# Altium PCB test.PcbDoc (part 1 of 2) (continued)
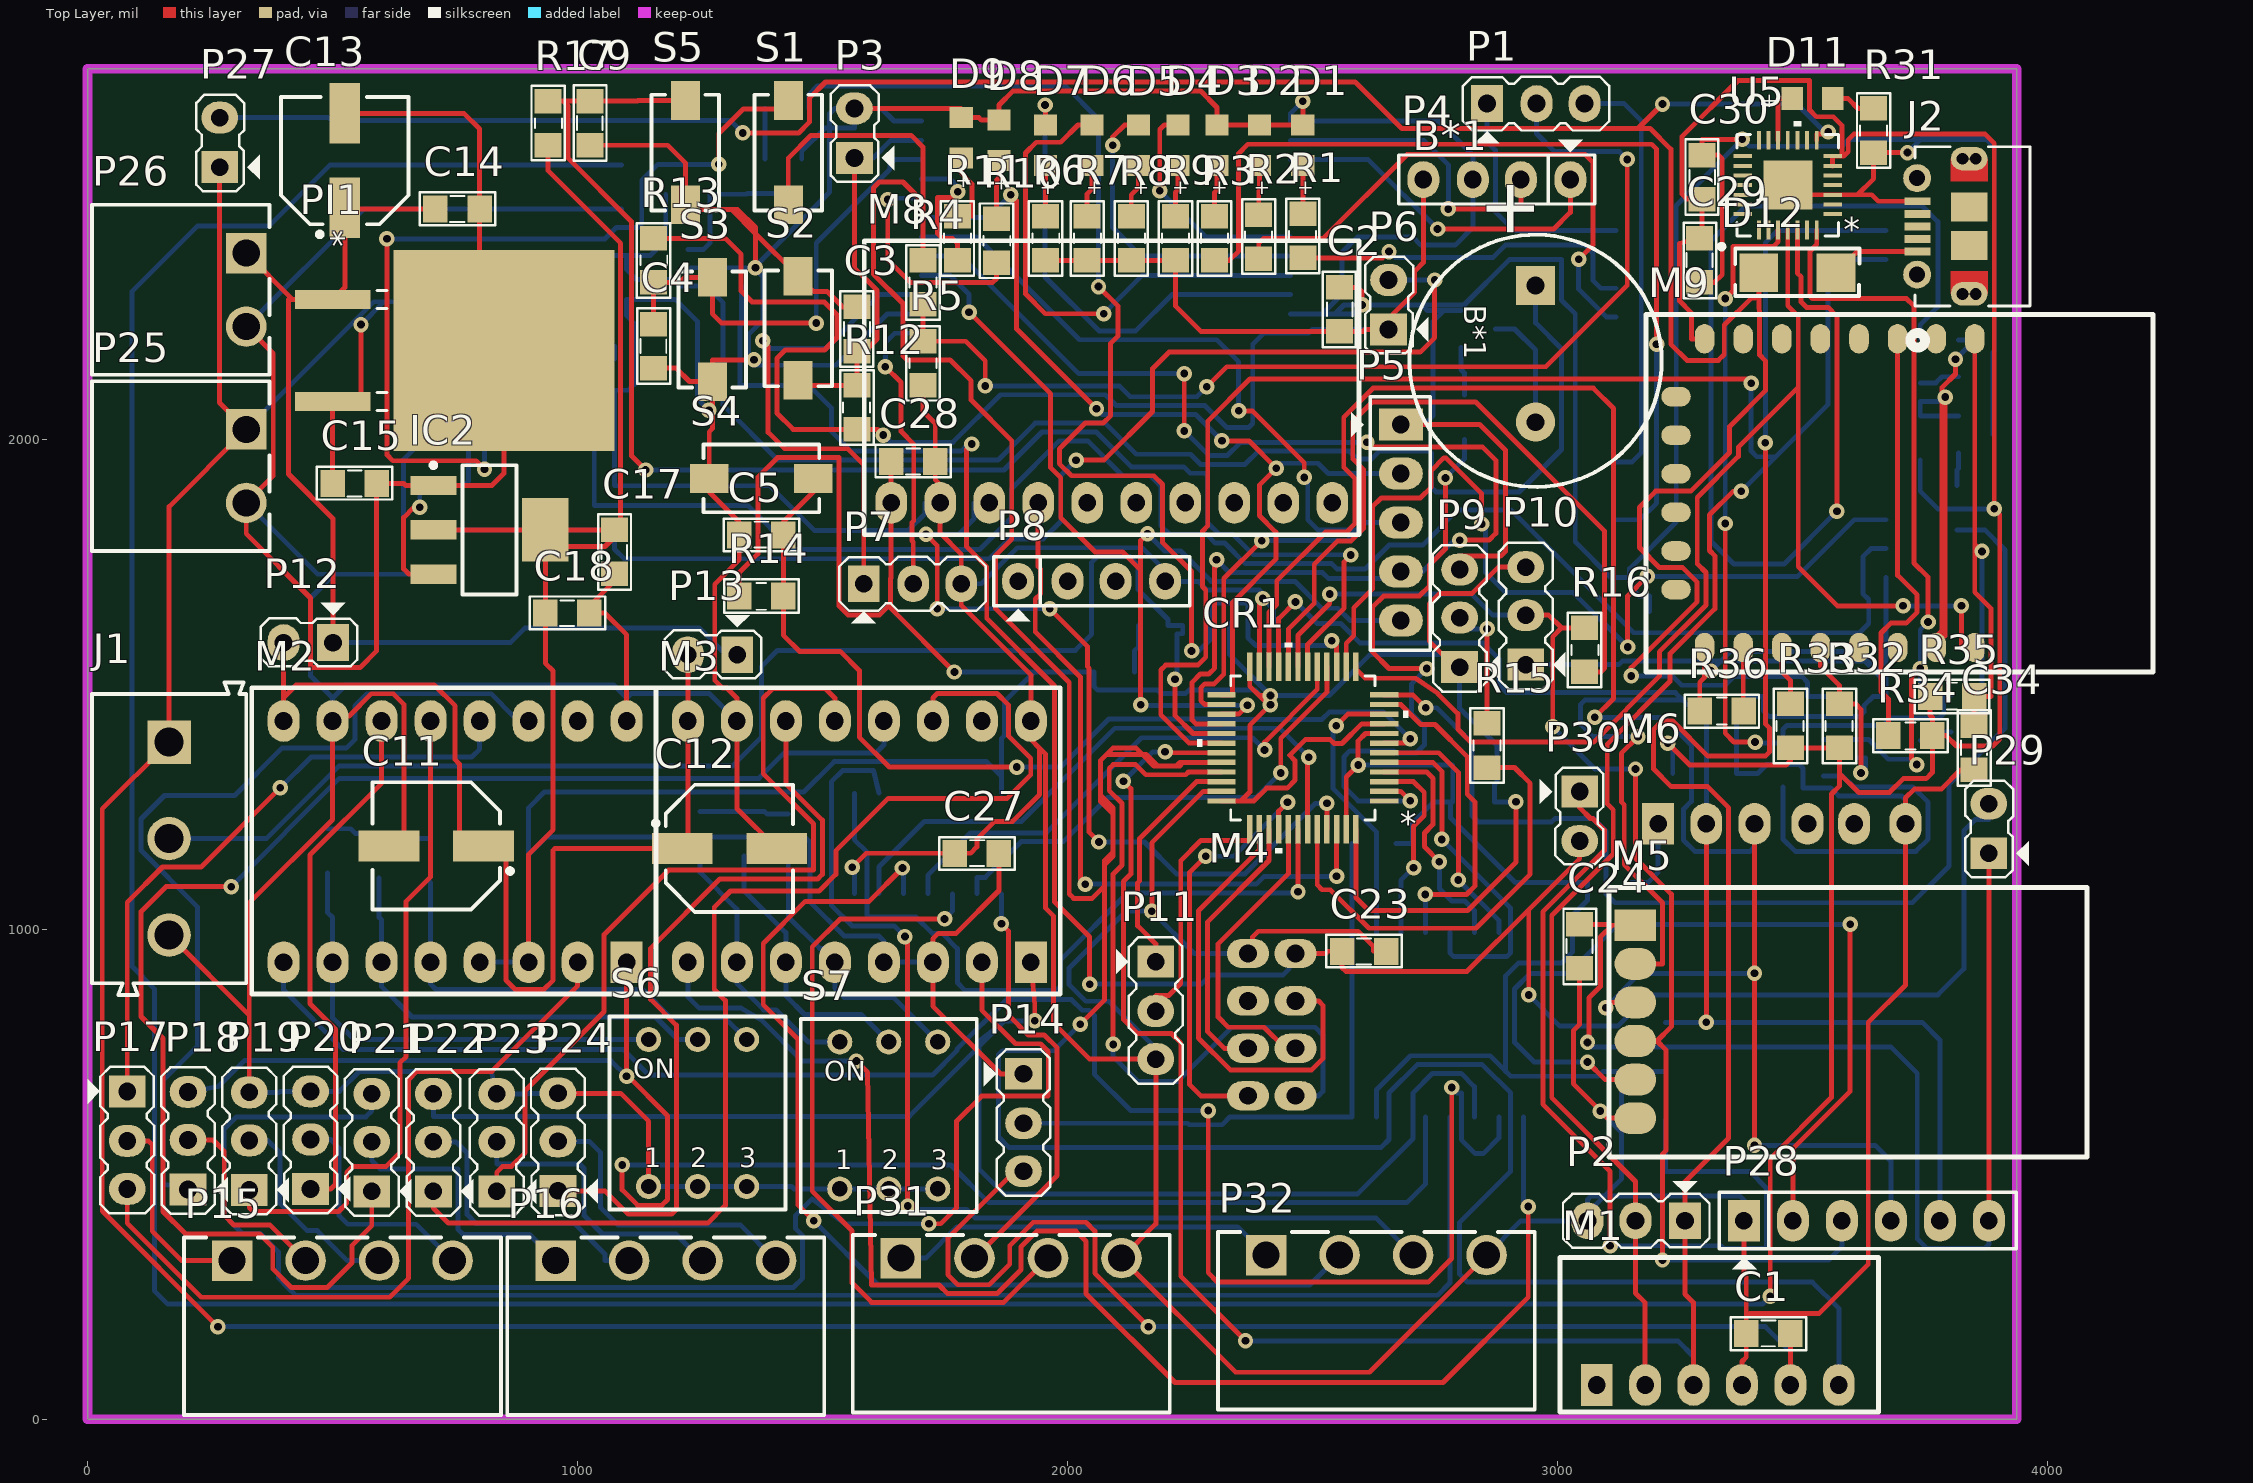
[diagram p0: Top Layer view]
## Components (designator, comment, footprint, x,y, rotation, side; value= is the part's Value field where it differs from the comment) (continued)
S6 "418117170903" 418117170903 1245,625 r0 top
S7 "418117170903" 418117170903 1635,620 r0 top
U1 "DWM1001" DWM1001 2455,2649.33 r180 bottom
U2 "74HC245D,652" 74HC245D,652 2805,805 r270 bottom
U3 "XC6204B332MR" XC6204/05_SOT-00 1280,2350 r0 bottom
U4 "74HC14D,652" 74HC14D,652 1715,1175 r90 bottom
U5 "CP2102-GM" CP2102-GM 3469.68,2518.5 r180 top

## Footprints (in the part's own frame and the unit in brackets; to place one, negate y for a bottom-side part, rotate by r counter-clockwise, add the part's x,y. Pads: shape width x height; smd on the part's side, far side on the other; paste and mask are expansions set on the pad)
74HC14D,652 [mil]
  rect 67x21 smd paste+0 mask+0: 1(-102.5,150) 2(-102.5,100) 3(-102.5,50) 4(-102.5,0) 5(-102.5,-50) 6(-102.5,-100) 7(-102.5,-150) 8(102.5,-150) 9(102.5,-100) 10(102.5,-50) 11(102.5,0) 12(102.5,50) 13(102.5,100) 14(102.5,150)
  silkscreen extent -84,-177 156,177, body extent -124,-172 120,172, height 69
74HC245D,652 [mil]
  rect 71x21 smd paste+0 mask+0: 1(-188,225) 2(-188,175) 3(-188,125) 4(-188,75) 5(-188,25) 6(-188,-25) 7(-188,-75) 8(-188,-125) 9(-188,-175) 10(-188,-225) 11(188,-225) 12(188,-175) 13(188,-125) 14(188,-75) 15(188,-25) 16(188,25) 17(188,75) 18(188,125) 19(188,175) 20(188,225)
  silkscreen extent -244,-261 244,261, body extent -209,-256 209,256, height 104
418117170903 [mm] "2.54 mm compact THT with flat actuator, 3p"
  round 1.3 hole 0.8: 1(-2.54,-3.81) 2(0,-3.81) 3(2.54,-3.81) 4(2.54,3.81) 5(0,3.81) 6(-2.54,3.81)
  silkscreen extent -4.56,-5 4.56,5, body extent -4.46,-4.95 4.46,4.95, height 5.75
434113043826 [mm] "SMD Tact Switch, body 6x3.5mm"
  rect 2x1.5 smd: 1(-2.7,0) 2(2.7,0)
  silkscreen extent -3,-1.75 3,1.75, body extent -3.65,-1.75 3.65,1.75, height 4.3
691111710003 [mm] "5,00mm - modular - green - Horizontal entry with pressure clamp - 10,0mm height - 03p"
  rect 2.25x2.25 hole 1.5: 1(-5,0)
  round 2.25 hole 1.5: 2(0,0) 3(5,0)
  silkscreen extent -8.1,-4 8.1,4, body extent -8.1,-4 8.1,4, height 11.05
691322310002 [mm] "Horizontal PCB Header, pitch 3.81mm, 02p"
  rect 2.1x2.1 hole 1.4: 1(-1.905,3.4)
  round 2.1 hole 1.4: 2(1.905,3.4)
  silkscreen extent -4.4,-4.6 4.41,4.6, body extent -4.4,-4.6 4.41,4.6, height 7.25
691322310004 [mm] "Horizontal PCB Header, pitch 3.81mm, 04p"
  rect 2.1x2.1 hole 1.4: 1(-5.715,3.4)
  round 2.1 hole 1.4: 2(-1.905,3.4) 3(1.905,3.4) 4(5.715,3.4)
  silkscreen extent -8.21,-4.6 8.22,4.6, body extent -8.21,-4.6 8.21,4.6, height 7.25
BUZZER [mil]
  rect 80x80 hole 36: 1(-78.73,0)
  round 80 hole 36: 2(200,0)
  silkscreen extent -182,-257 332,257, body extent -176,-237 296,235, height 335
CAP-SM-0805 [mil]
  rect 50x55 smd: 1(0,0) 2(90,0)
  silkscreen extent -32,-34 122,33, body extent 4,-27 86,27, height 30
CAP-SM-AL-SIZE-D-D6L6 [mm] "WH6.6"
  rect 3.15x1.6 smd: 1(-2.45,0) 2(2.45,0)
  silkscreen extent -3.95,-3.3 3.3,3.3, body extent -3.9,-3.4 3.9,3.4, height 5.7
CAP_SM_TAN [mil]
  rect 49.98x87 smd: 1(-65,0) 2(65,0)
  silkscreen extent -78,-64 78,64, body extent -73,-60 73,58, height 85
CONN_105017-0001 [mil]
  rect 16x53 smd: 1(-51.18,112) 2(-25.59,112) 3(0,112) 4(25.59,112) 5(51.18,112)
  round 57 hole 33: 6(-98.43,112.99) 7(98.43,112.99)
  rect 59x75 smd: 10(-39.37,6.68) 11(39.37,6.68)
  oval 48x75 hole 1 mask+0: S_1(-137.8,6.68) S_2(137.8,6.68)
  round 24 hole 24: S_1_H1(-137.8,20.18) S_1_H2(-137.8,-6.82) S_2_H1(137.8,20.18) S_2_H2(137.8,-6.82)
  Top Layer region: 91.8,-30.82 91.8,44.18 137.8,44.18 137.8,-30.82
  Top Layer region: -91.8,-30.82 -91.8,44.18 -137.8,44.18 -137.8,-30.82
  Multi-Layer lines w24: -137.8,20.18 -137.8,-6.82 ; 137.8,20.18 137.8,-6.82
  silkscreen extent -247,-117 162,127, body extent -161,-95 161,118, height 108
CP2102-GM [mil]
  rect 38x8 smd paste+0 mask+0: 1(-91.5,59.06) 2(-91.5,39.37) 3(-91.5,19.68) 4(-91.5,0) 5(-91.5,-19.69) 6(-91.5,-39.37) 7(-91.5,-59.06) 15(91.5,-59.06) 16(91.5,-39.37) 17(91.5,-19.69) 18(91.5,0) 19(91.5,19.68) 20(91.5,39.37) 21(91.5,59.06)
  rect 8x38 smd paste+0 mask+0: 8(-59.05,-91.5) 9(-39.37,-91.5) 10(-19.68,-91.5) 11(0,-91.5) 12(19.68,-91.5) 13(39.37,-91.5) 14(59.05,-91.5) 22(59.05,91.5) 23(39.37,91.5) 24(19.68,91.5) 25(0,91.5) 26(-19.68,91.5) 27(-39.37,91.5) 28(-59.05,91.5)
  rect 100x100 smd paste-65.5 mask+0: 29(0,0)
  silkscreen extent -104,-130 130,104, body extent -98,-98 99,99, height 37
DRV8825 [mil]
  rect 85x65 hole 36: 1(0,0)
  oval 85x65 hole 36: 2(0,100) 3(0,200) 4(0,300) 5(0,400) 6(0,500) 7(0,600) 8(0,700) 9(492.13,700) 10(492.13,600) 11(492.13,500) 12(492.13,400) 13(492.13,300) 14(492.13,200) 15(492.13,100) 16(492.13,0)
  silkscreen extent -65,-60 560,765, body extent -50,-47 540,753, height 520
DWM1001 [mm]
  rect 2.54x0.65 smd: 1(0,0) 2(0,-1) 3(0,-2) 4(0,-3) 5(0,-4) 6(0,-5) 7(0,-6) 8(0,-7) 9(0,-8) 10(0,-9) 11(0,-10) 12(0,-11) 13(0,-12) 14(0,-13) 15(0,-14) 16(0,-15) 17(0,-16) 18(19.13,-16) 19(19.13,-15) 20(19.13,-14) 21(19.13,-13) 22(19.13,-12) 23(19.13,-11) 24(19.13,-10) 25(19.13,-9) 26(19.13,-8) 27(19.13,-7) 28(19.13,-6) 29(19.13,-5) 30(19.13,-4) 31(19.13,-3) 32(19.13,-2) 33(19.13,-1) 34(19.13,0)
  body extent -0.04,-17.12 19.09,9, height 3.2
ESP8266 [mil]
  oval 60x40 smd: 1(0,551.18) 2(0,472.44) 3(0,393.7) 4(0,314.96) 5(0,236.22) 6(0,157.48) 7(0,78.74) 8(0,0) 15(629.92,0) 16(629.92,78.74) 17(629.92,157.48) 18(629.92,236.22) 19(629.92,314.96) 20(629.92,393.7) 21(629.92,472.44) 22(629.92,551.18)
  oval 40x60 smd: 9(118.11,-58.27) 10(196.85,-58.27) 11(275.59,-58.27) 12(354.33,-58.27) 13(433.07,-58.27) 14(511.81,-58.27)
  silkscreen extent -50,-120 680,915, body extent -5,-63 625,882, height 104
GY9250 [mil]
  oval 85x65 hole 36: 1(0,0) 2(0,100) 3(0,200) 4(0,300) 5(0,400) 6(0,500) 7(0,600) 8(0,700) 9(0,800) 10(0,900)
  silkscreen extent -535,-55 65,955, body extent -530,-50 60,950, height 267
"HC05-06 DIP" [mil]
  rect 85x65 hole 36: 1(0,0)
  oval 85x65 hole 36: 2(0,98.82) 3(0,197.64) 4(0,296.46) 5(0,395.28) 6(0,494.09)
  silkscreen extent -260,-75 55,575, body extent -248,-65 10,565, height 1634
"HC05-06 SMD" [mil]
  oval 60x40 smd: 1(0,708.66) 2(0,649.61) 3(0,590.55) 4(0,531.5) 5(0,472.44) 6(0,413.38) 7(0,354.33) 8(0,295.27) 9(0,236.22) 10(0,177.16) 11(0,118.11) 12(0,59.05) 13(0,0) 22(551.18,0) 23(551.18,59.05) 24(551.18,118.11) 25(551.18,177.16) 26(551.18,236.22) 27(551.18,295.27) 28(551.18,354.33) 29(551.18,413.38) 30(551.18,472.44) 31(551.18,531.5) 32(551.18,590.55) 33(555,649.61) 34(551.18,708.66)
  oval 40x60 smd: 14(68.9,-68.9) 15(127.95,-68.9) 16(187.01,-68.9) 17(246.06,-68.9) 18(305.12,-68.9) 19(364.17,-68.9) 20(423.23,-68.9) 21(482.28,-68.9)
  silkscreen extent -50,-110 600,1045, body extent 0,-70 552,1033, height 93
HC12 [mil] "HC12"
  oval 80x60 smd: 1(0,0) 2(0,100) 3(0,200) 4(5,300) 5(5,400)
  silkscreen extent -1100,-70 60,470, body extent -1090,-62 0,462, height 1020
HOLYBRO [mil]
  rect 85x65 hole 36: 1(0,0)
  oval 85x65 hole 36: 2(0,98.43) 3(0,196.85) 4(0,305) 5(0,400) 6(0,505)
  body extent -135,-87 95,597, height 304
JP2 [mil]
  rect 65x75 hole 36: 1(0,0)
  oval 65x75 hole 36: 2(101,0)
  silkscreen extent -49,-81 148,48, body extent -48,-50 148,48, height 323
JP3 [mil] "Jumper 3"
  rect 65x75 hole 36: 1(-100,0)
  oval 65x75 hole 36: 2(1,0) 3(99,0)
  silkscreen extent -150,-81 149,55, body extent -150,-60 150,55, height 355
JP4 [mil] "Jumper 4"
  oval 65x75 hole 36: 1(-100,0) 2(1,0) 3(99,0) 4(200,0)
  silkscreen extent -150,-81 250,50, body extent -148,-48 248,50, height 323
JP5 [mil] "JP5"
  rect 65x90 hole 36: 1(0,0)
  oval 65x90 hole 36: 2(100,0) 3(200,0) 4(300,0) 5(400,0)
  silkscreen extent -57,-101 461,60, body extent -48,-53 448,45, height 323
JP6 [mil] "JP6"
  rect 65x85 hole 36: 1(0,0)
  oval 65x85 hole 36: 2(100,0) 3(200,0) 4(300,0) 5(400,0) 6(500,0)
  silkscreen extent -50,-99 556,58, body extent -48,-50 548,48, height 323
L7805_SMD [mil]
  rect 39x154 smd paste+0 mask+0: 1(-103.94,-349.5) 3(103.94,-349.5)
  rect 411x451 smd paste+0 mask+0: 2(0,0)
  silkscreen extent -122,-258 122,-239, body extent -205,-320 204,210, height 185
LC12S [mil]
  rect 85x65 smd: 1(446.22,-198.11)
  oval 85x65 smd: 2(446.22,-119.37) 3(446.22,-40.63) 4(446.22,38.11) 5(446.22,116.85) 6(446.22,195.59)
  silkscreen extent -475,-275 500,275, body extent -473,-268 444,271, height 79
LQFP-48 [mil]
  rect 58x11 smd: 1(-166,108.27) 2(-166,88.58) 3(-166,68.9) 4(-166,49.21) 5(-166,29.53) 6(-166,9.84) 7(-166,-9.84) 8(-166,-29.53) 9(-166,-49.21) 10(-166,-68.9) 11(-166,-88.58) 12(-166,-108.27) 25(166,-108.27) 26(166,-88.58) 27(166,-68.9) 28(166,-49.21) 29(166,-29.53) 30(166,-9.84) 31(166,9.84) 32(166,29.53) 33(166,49.21) 34(166,68.9) 35(166,88.58) 36(166,108.27)
  rect 11x58 smd: 13(-108.27,-166) 14(-88.58,-166) 15(-68.9,-166) 16(-49.21,-166) 17(-29.53,-166) 18(-9.84,-166) 19(9.84,-166) 20(29.53,-166) 21(49.21,-166) 22(68.9,-166) 23(88.58,-166) 24(108.27,-166) 37(108.27,166) 38(88.58,166) 39(68.9,166) 40(49.21,166) 41(29.53,166) 42(9.84,166) 43(-9.84,166) 44(-29.53,166) 45(-49.21,166) 46(-68.9,166) 47(-88.58,166) 48(-108.27,166)
  silkscreen extent -215,-215 215,215, body extent -181,-181 181,181, height 63
NRF24L01 [mil]
  oval 86x60 hole 36: 1(0,0) 2(-96.85,0) 3(0,96.85) 4(-96.85,96.85) 5(0,193.7) 6(-96.85,193.7) 7(0,290.55) 8(-96.85,290.55)
  body extent -2823,-155 90,445, height 3758
RES-SM-0805 [mil]
  rect 50x55 smd: 1(0,0) 2(90,0)
  silkscreen extent -31,-34 121,34, body extent -5,-24 95,25, height 20
SOT23_NEX [mil]
  rect 22x52 smd paste+0 mask+4: 1(-37.5,-37.21) 2(37.5,-37.21) 3(0,33.36)
  silkscreen extent -85,-50 64,33, body extent -59,-54 59,44, height 43
SOT223 [mm] "SOT223, 4-Leads, Body 6.5x3.5mm, Pitch 2.3mm, Lead Span 7mm, IPC Medium Density"
  rect 2.4x1 smd: 1(-2.9,2.3) 2(-2.9,0) 3(-2.9,-2.3)
  rect 2.4x3.3 smd: 4(2.9,0)
  silkscreen extent -3.02,-3.35 1.4,3.47, body extent -3.39,-3.27 3.5,3.23, height 1.72
SS14 [mm] "DO-214-AC/SMA Molded Diode, Body 5.3x2.6mm, IPC Medium Density"
  rect 1.999x1.999 smd: 1(-2,0) 2(2,0)
  silkscreen extent -4.06,-1.22 3.23,1.47, body extent -2.75,-1.4 2.75,1.4, height 2.3
WL-SMCW_0805 [mm] "SMD Mono-color Chip LED, body 2.0x1.25mm"
  rect 1.1x1.2 smd: 1(-1.05,0) 2(1.05,0)
  body extent -1,-0.63 1,0.62, height 0.7
XC6204/05_SOT-00 [mil]
  rect 60x21 smd: 1(-54.75,37.4) 2(-54.75,0) 3(-54.75,-37.4) 4(54.75,-37.4) 5(54.75,37.4)
  silkscreen extent -38,-62 38,62, body extent -56,-57 54,57, height 51

## Part data
C1 C2 C3 C4 C5 C6 C7 C8 C9 C10 C20 C23 C24 C25 C26 C27 C28 C30 C32 C34: "CAP CER 0.1UF 50V Y5V 0805", Manufacturer="Samsung Electro-Mechanics", Manufacturer Part Number=CL21F104ZBCNNNC, Supplier 1 Part Number=1276-1007-1-ND, Local Supplier=thegioiic, Local Supplier Link=https://thegioiic.com/products/tu-100nf-0-1uf-50v-0805, Supplier 1=Digikey, Supplier 1 Link=https://www.digikey.com/product-detail/en/samsung-electro-mechanics/CL21F104ZBCNNNC/1276-1007-1-ND/3889093
C11 C12 C13: "CAP ALUM 100UF 20% 16V SMD", Manufacturer=Nichicon, Manufacturer Part Number=UWX1C101MCL1GB, Supplier 1 Part Number=493-2105-1-ND, Local Supplier=thegioiic, Local Supplier Link=https://thegioiic.com/products/tu-nhom-smd-100uf-16v-d6-3l5-4, Supplier 1=Digikey, Supplier 1 Link=https://www.digikey.com/product-detail/en/nichicon/UWX1C101MCL1GB/493-2105-1-ND/590080
C14 C15 C16 C17 C18 C19 C21 C22 C29 C31: "CAP CER 10UF 50V X5R 0805", Manufacturer=Yageo, Manufacturer Part Number=CC0805KKX5R9BB106, Supplier 1 Part Number=311-3499-2-ND, Local Supplier=thegioiic, Local Supplier Link=https://thegioiic.com/products/tu-10uf-50v-0805, Supplier 1=Digikey, Supplier 1 Link=https://www.digikey.com/product-detail/en/yageo/CC0805KKX5R9BB106/311-3499-2-ND/7164383
C33: library part Cap-Tan-100uF-16V, Manufacturer=Nichicon, Manufacturer Part Number=UWX1C101MCL1GB, Supplier 1 Part Number=493-2105-1-ND, Local Supplier=icdayroi, Local Supplier Link=https://icdayroi.com/tu-tantalum-100uf-16v-smd6032, Supplier 1=Digikey, Supplier 1 Link=https://www.digikey.com/product-detail/en/nichicon/UWX1C101MCL1GB/493-2105-1-ND/590080
CR1: library part STM32F103C8T6, "No Description Available", Built_By=EMA_UL_Team, Copyright="Copyright (C) 2018 Accelerated Designs. All rights reserved", Manufacturer_Part_Number=STM32F103C8T6, RefDes=RefDes, Type=DEV, Vendor=STMicroelectronics
D1 D7: library part 150080VS75000, "WL-SMCW SMT Mono-color Chip LED Waterclear, size 0805, Bright Green, 2V, 140deg", Emitting Color="Bright Green", Forward Voltage typ.=2V, Operating Temperature="-40 to +85degC", Chip Technology=AlInGaP, ComponentLink1Description=Manufacturer, ComponentLink1URL=http://www.we-online.de, ComponentLink2Description=Datasheet, ComponentLink2URL=https://www.we-online.com/catalog/datasheet/150080VS75000.pdf, Dominant Wavelength typ.=570nm, Luminous Intensity typ.=40mcd, Mounting Technology=SMT, Packaging="Tape and Reel", Part Number=150080VS75000, Peak Wavelength typ.=572nm, Published Date="December 2019", Publisher="Wurth Elektronik", Size=0805, Viewing Angle=140deg
D2 D6: library part 150080YS75000, "WL-SMCW SMT Mono-color Chip LED Waterclear, size 0805, Yellow, 2V, 140deg", Emitting Color=Yellow, Forward Voltage typ.=2V, Operating Temperature="-40 to +85degC", Chip Technology=AlInGaP, ComponentLink1Description=Manufacturer, ComponentLink1URL=http://www.we-online.de, ComponentLink2Description=Datasheet, ComponentLink2URL=https://www.we-online.com/catalog/datasheet/150080YS75000.pdf, Dominant Wavelength typ.=590nm, Luminous Intensity typ.=120mcd, Mounting Technology=SMT, Packaging="Tape and Reel", Part Number=150080YS75000, Peak Wavelength typ.=595nm, Published Date="December 2019", Publisher="Wurth Elektronik", Size=0805, Viewing Angle=140deg
D3 D4 D5 D8 D9 D10 D11: library part 150080RS75000, "WL-SMCW SMT Mono-color Chip LED Waterclear, size 0805, Red, 2V, 140deg", Emitting Color=Red, Forward Voltage typ.=2V, Operating Temperature="-40 to +85degC", Chip Technology=AlInGaP, ComponentLink1Description=Manufacturer, ComponentLink1URL=http://www.we-online.de, ComponentLink2Description=Datasheet, ComponentLink2URL=https://www.we-online.com/catalog/datasheet/150080RS75000.pdf, Dominant Wavelength typ.=625nm, Luminous Intensity typ.=150mcd, Mounting Technology=SMT, Packaging="Tape and Reel", Part Number=150080RS75000, Peak Wavelength typ.=630nm, Published Date="December 2019", Publisher="Wurth Elektronik", Size=0805, Viewing Angle=140deg
D12: library part Diode-SS14, "DIODE SCHOTTKY 40V 1A SMA", Manufacturer="ON Semiconductor", Supplier 1 Part Number=SS14CT-ND, Local Supplier=thegioiic, Local Supplier Link=https://thegioiic.com/products/ss14-sma, Manufacturer Part Number=SS14, Supplier 1=Digikey, Supplier 1 Link=https://www.digikey.com/product-detail/en/on-semiconductor/SS14/SS14CT-ND/965729
IC1 IC2 IC3 IC4: "Available in 1.8V, 2.5V, 2.85V, 3.3V, 5V, and  Adjustable Versions"
J1: "WR-TBL Serie 111 Horizontal Entry Modular, Pressure Clamp, pitch 5mm, 3p", Operating Temperature="-40 to +105degC", Rated Current [UL]=15A, Working Voltage [UL]=250VAC, Application="Pressure Clamp", Compliance="Lead free / RoHS", ComponentLink1Description=Manufacturer, ComponentLink1URL=http://www.we-online.de, ComponentLink2Description=Datasheet, ComponentLink2URL=https://katalog.we-online.de/em/datasheet/691111710003.pdf, Modularity=Yes, Mounting Technology=THT, Packaging=Box, Part Number=691111710003, PCB/Cable/Panel=PCB, Pin Number=3, Pitch=5mm, Published Date="October 2019", Publisher="Wurth Elektronik", Type=Horizontal
J2 U2 U4 U5: "No Description Available", RefDes=RefDes, Type=DEV
  J2: Built_By=EMA_Cory, Copyright="Copyright (C) 2018 Accelerated Designs. All rights reserved", Datasheet=https://www.molex.com/pdm_docs/sd/1050170001_sd.pdf, Manufacturer_Part_Number=105017-0001, SourceLibrary=Molex_2020-05-26, Vendor="Molex Connector Corporation"
  U2: Copyright="Copyright (C) 2016 Accelerated Designs. All rights reserved", Manufacturer_Part_Number=74HC245D,652, SourceLibrary=Nexperia_2018-05-2018, Vendor=Nexperia
  U4: Copyright="Copyright (C) 2016 Accelerated Designs. All rights reserved", Manufacturer_Part_Number=74HC14D,652, SourceLibrary=Nexperia_2018-05-2018, Vendor=Nexperia
  U5: Built_By=EMA_UL_Team, Copyright="Copyright (C) 2018 Accelerated Designs. All rights reserved", Manufacturer_Part_Number=CP2102-GM, SourceLibrary=Silicon_Labs_2015-03-23, Vendor="Silicon Labs"
M5: library part LC12S
P1 P2 P7 P9 P10 P11 P14 P17 P18 P19 P20 P21 P22 P23 P24: "Header, 3-Pin", LatestRevisionDate=17-Jul-2002, LatestRevisionNote="Re-released for DXP Platform.", Publisher="Altium Limited"
P3 P6 P12 P13 P27 P29 P30: "Header, 2-Pin", LatestRevisionDate=17-Jul-2002, LatestRevisionNote="Re-released for DXP Platform.", Publisher="Altium Limited"
P4 P8: "Header, 4-Pin", LatestRevisionDate=17-Jul-2002, LatestRevisionNote="Re-released for DXP Platform.", Publisher="Altium Limited"
P5: "Header, 5-Pin", LatestRevisionDate=17-Jul-2002, LatestRevisionNote="Re-released for DXP Platform.", Publisher="Altium Limited"
P15 P16 P31 P32: "WR-TBL Serie 322 Horizontal PCB Header, Pluggable, pitch 3.81mm, 4p", Operating Temperature="-40 to +105degC", Rated Current [UL]=10A, Working Voltage [UL]=300VAC, Application=Pluggable, Compliance=RoHS, ComponentLink1Description=Manufacturer, ComponentLink1URL=http://www.we-online.de, ComponentLink2Description=Datasheet, ComponentLink2URL=https://katalog.we-online.de/em/datasheet/691322310004.pdf, Modularity=No, Mounting Technology=THT, Packaging=Box, Part Number=691322310004, PCB/Cable/Panel=PCB, Pin Number=4, Pitch=3.81mm, Published Date="October 2019", Publisher="Wurth Elektronik", Type=Horizontal
P25 P26: "WR-TBL Serie 322 Horizontal PCB Header, Pluggable, pitch 3.81mm, 2p", Operating Temperature="-40 to +105degC", Rated Current [UL]=10A, Working Voltage [UL]=300VAC, Application=Pluggable, Compliance=RoHS, ComponentLink1Description=Manufacturer, ComponentLink1URL=http://www.we-online.de, ComponentLink2Description=Datasheet, ComponentLink2URL=https://katalog.we-online.de/em/datasheet/691322310002.pdf, Modularity=No, Mounting Technology=THT, Packaging=Box, Part Number=691322310002, PCB/Cable/Panel=PCB, Pin Number=2, Pitch=3.81mm, Published Date="October 2019", Publisher="Wurth Elektronik", Type=Horizontal
P28: "Header, 6-Pin", LatestRevisionDate=17-Jul-2002, LatestRevisionNote="Re-released for DXP Platform.", Publisher="Altium Limited"
Q3 Q4: "P-Channel 20V 3.7A (Ta) 1.3W (Ta) Surface Mount Micro3™/SOT-23"
R1 R2 R3: "RES 470 OHM JUMPER 0805", Manufacturer=YAG6006CT-ND, Manufacturer Part Number=PE0805FRF7W0R047L, Local Supplier=thegioiic, Local Supplier Link=https://www.thegioiic.com/products/dien-tro-470-kohm-0805-5, Supplier 1=Digikey, Supplier 1 Link=https://www.digikey.com/product-detail/en/yageo/PE0805FRF7W0R047L/YAG6006CT-ND/9696460, Supplier 1 Part Number=YAG6006CT-ND
R4: "RES SMD 2.2K OHM 1% 1/8W 0805", Manufacturer="TE Connectivity Passive Product", Manufacturer Part Number=CRG0805F2K2, Supplier 1 Part Number=A106060CT-ND, Local Supplier=thegioiic, Local Supplier Link=https://thegioiic.com/products/dien-tro-2-2k-ohm-0805-5, Supplier 1=Digikey, Supplier 1 Link=https://www.digikey.com/product-detail/en/te-connectivity-passive-product/CRG0805F2K2/A106060CT-ND/3477706
R5 R12 R13 R14 R17: "RES 10K OHM 1% 1/4W 0805", Manufacturer="Stackpole Electronics Inc", Manufacturer Part Number=RNCP0805FTD10K0, Supplier 1 Part Number=RNCP0805FTD10K0CT-ND, Local Supplier=thegioiic, Local Supplier Link=https://thegioiic.com/products/dien-tro-10k-ohm-0805-5, Supplier 1=Digikey, Supplier 1 Link=https://www.digikey.com/product-detail/en/stackpole-electronics-inc/RNCP0805FTD10K0/RNCP0805FTD10K0CT-ND/2240601
R6 R7 R8 R9: "RES SMD 1.2K OHM 1% 1/8W 0805", Manufacturer="TE Connectivity Passive Product", Manufacturer Part Number=CRG0805F1K2, Supplier 1 Part Number=A126346CT-ND, Local Supplier=thegioiic, Local Supplier Link=https://thegioiic.com/products/dien-tro-1-2k-ohm-0805-5, Supplier 1=Digikey, Supplier 1 Link=https://www.digikey.com/product-detail/en/te-connectivity-passive-product/CRG0805F1K2/A126346CT-ND/7603401
R10 R11 R19 R20 R21 R22 R23 R24 R25 R28 R29 R30 R31: "RES 1K OHM 1% 1/4W 0805", Manufacturer="Stackpole Electronics Inc", Manufacturer Part Number=RNCP0805FTD1K00, Supplier 1 Part Number=RNCP0805FTD1K00CT-ND, Local Supplier=thegioiic, Local Supplier Link=https://thegioiic.com/products/dien-tro-1k-ohm-0805-5, Supplier 1=Digikey, Supplier 1 Link=https://www.digikey.com/product-detail/en/stackpole-electronics-inc/RNCP0805FTD1K00/RNCP0805FTD1K00CT-ND/2240568
R15 R16 R27: "RES 0 OHM JUMPER 0805", Manufacturer="Vishay Dale", Manufacturer Part Number=WSL080500000ZEA9, Supplier 1 Part Number=541-3928-1-ND, Local Supplier=thegioiic, Local Supplier Link=https://thegioiic.com/products/dien-tro-0-ohm-0805-5, Supplier 1=Digikey, Supplier 1 Link=https://www.digikey.com/product-detail/en/vishay-dale/WSL080500000ZEA9/541-3928-1-ND/7423223
R18: "RES 15K OHM 1% 1/4W 0805", Manufacturer="TE Connectivity Passive Product", Manufacturer Part Number=CRGCQ0805F15K, Supplier 1 Part Number=A129763CT-ND, Local Supplier=thegioiic, Local Supplier Link=https://thegioiic.com/products/dien-tro-15k-ohm-0805-1, Supplier 1=Digikey, Supplier 1 Link=https://www.digikey.com/product-detail/en/te-connectivity-passive-product/CRGCQ0805F15K/A129763CT-ND/8577595
R26: "RES SMD 4.7K OHM 5% 1/8W 0805", Manufacturer=Yageo, Manufacturer Part Number=RC0805JR-074K7L, Supplier 1 Part Number=311-4.7KARCT-ND, Local Supplier=thegioiic, Local Supplier Link=https://thegioiic.com/products/dien-tro-4-7k-ohm-0805-5, Supplier 1=Digikey, Supplier 1 Link=https://www.digikey.com/product-detail/en/yageo/RC0805JR-074K7L/311-4.7KARCT-ND/731274
R32 R33 R34 R35 R36 R37 R38: "RES 12 KOHM JUMPER 0805", Manufacturer="Vishay Thin Film", Manufacturer Part Number=PAT0805E3121BST1, Supplier 1 Part Number=PAT0805E3121BST1-ND, Local Supplier=icdayroi, Local Supplier Link=https://icdayroi.com/dien-tro-12k-0805-1-goi-50-con, Supplier 1=Digikey, Supplier 1 Link=https://www.digikey.com/product-detail/en/vishay-thin-film/PAT0805E3121BST1/PAT0805E3121BST1-ND/2281536
S1 S2 S3 S4 S5: "WS-TASV J-Bend SMT Tact Switch 6x3.5mm, height 4.3mm, 260gf", Operating Temperature="-40 to +85degC", Rated Current=50mA, Rated Voltage=12VDC, ComponentLink1Description=Manufacturer, ComponentLink1URL=http://www.we-online.de, ComponentLink2Description=Datasheet, ComponentLink2URL=https://katalog.we-online.com/em/datasheet/434113043826.pdf, Contact Material="Stainless Steel", Contact Plating=Silver, Height=4.3mm, Mounting Technology=SMT, Operation Force=260gf, Packaging="Tape and Reel", Part Number=434113043826, Published Date="September 2019", Publisher="Wurth Elektronik", Terminal Material="Copper Alloy", Terminal Plating=Silver, Washable=No
S6 S7: "WS-DITV Compact THT Dip Switch, Flat Actuator, pitch 2.54mm, 3p", Operating Temperature="-40 to +85degC", Rated Current Non-Switching=100mA, Rated Current Switching=25mA, Rated Voltage Non-Switching=50VDC, Rated Voltage Switching=24VDC, Actuator Type="Flat Type", Circuit=SPST-NO, ComponentLink1Description=Manufacturer, ComponentLink1URL=http://www.we-online.de, ComponentLink2Description=Datasheet, ComponentLink2URL=https://katalog.we-online.com/em/datasheet/418117170903.pdf, Contact Material="Copper Alloy", Contact Plating=Gold, Mounting Technology=THT, Operation Force=800g, Packaging=Tube, Part Number=418117170903, Pitch=2.54mm, Pole Number=3, Published Date="September 2019", Publisher="Wurth Elektronik"
M8: Local Supplier=HShop, Local Supplier Link=https://hshop.vn/products/cam-bien-gy-9250-9dof-imu-mpu9250
U3: Built_By=EMA_UL_Team, Copyright="Copyright (C) 2018 Accelerated Designs. All rights reserved", Manufacturer_Part_Number=XC6204B332MR, RefDes=RefDes, SourceLibrary=Torex_2016-07-05_1, Type=DEV, Vendor="Torex Semiconductor"

## Via types
v1: diameter 31.5, hole 15.75, Top Layer to Bottom Layer, 157 vias

## Nets (pads, with @x,y where several pads share a name; then routed paths per layer and width w, separated by ;. In a path a pad name is that pad's centre, name@x,y a point inside that pad or via, vN(x,y) a via of type N, cw(c..) or ccw(c..) an arc to the next point about the centre after c; other vN are vias at no path point)
3V3_BLU: *1.12 C22.2 IC4.2 IC4.4 S1.1 | length 5942.1
  Top Layer w10: v1(611,2409) 611,1968 623,1956 793,1956 v1(810,1939) ; v1(1288,2561) 1288,2624 1338,2674 1430,2674 S1.1@1430,2691.3
  Bottom Layer w10: v1(611,2409) 1056,2409 1079,2432 1123,2432 1131,2440 1131,2528 1164,2561 v1(1288,2561) ; IC4.2@715.83,2190 856,2190 ; v1(810,1939) 810,2144 856,2190 ; *1.12@3670,1776.61 3639.61,1776.61 3623,1760 3623,1685 3635,1673 3635,1624 3616,1605 3155,1605 2904.25,1855.75 2796.26,1855.75 2724.51,1784 2656,1784 2607,1735 2550,1735 2538.85,1746.15 2362.89,1746.15 2321.14,1787.9 2301.68,1787.9 2283.84,1805.74 2208,1805.74 2190,1823.74 2190,1904 2168.5,1925.5 2112,1925.5 2040.75,1996.75 1983.25,1996.75 1885.5,1899 1885.5,1840 1820.5,1775 1437,1775 1347,1865 1034,1865 1034,2136 1043,2145 1056,2145 1075,2164 C22.2@1075,2190 1023,2190 IC4.4@944.17,2190 856,2190
3V3_DWM: C19.2 IC3.2 IC3.4 P6.2 | length 2595.6
  Top Layer w10: v1(2017.25,1957.25) 2074.02,1957.25 2173.24,2056.48 2173.24,2144 2206.99,2177.75 2719.75,2177.75 2749,2207 v1(2749,2325)
  Bottom Layer w10: IC3.2@705.83,1815 IC3.4@934.17,1815 C19.2@1075,1815 1075,1776 1095,1756 1840.04,1756 1880.54,1796.5 1950.5,1796.5 1986,1832 1986,1926 v1(2017.25,1957.25) ; P6.2@2655,2325 v1(2749,2325)
3V3_DWM_M: C2.2 P4.4 P6.1 R6.2 R7.2 R8.2 R9.2 R12.1 R13.1 U1.12 | length 3451.3
  Top Layer w10: R13.1@1155,2410 1301,2410 1333.78,2377.22 1333.78,2302.52 1356.3,2280 1503.5,2280 1529.5,2254 1529.5,2207.5 1504,2182 1424,2182 1407,2165 1407,2053 1440,2020 R12.1@1570,2020 1612.46,2020 v1(1624,2008.46) ; R6.2@1955,2365 R7.2@2040,2365 R8.2@2130,2365 R9.2@2220,2365 2220,2272 2272,2220 C2.2@2555,2220 2603,2220 2607,2224 P6.1@2655,2224 2655,2247 2708.25,2300.25 2708.25,2343 2726,2360.75 P4.4@2726,2530
  Bottom Layer w10: v1(1624,2008.46) 1638.85,1993.61 1766,1993.61 1863.13,2090.75 2077,2090.75 2099,2068.75 2280.25,2068.75 2325,2024 2369.75,2024 2377.75,2032 2377.75,2194.01 2400,2216.26 U1.12@2455,2216.26 2492,2216.26 2499.74,2224 P6.1@2655,2224
3V3_ENC: P31.1 P32.1 | length 795.4
  Bottom Layer w10: P31.1@1660,328.86 1710.22,328.86 1774.08,392.72 2347.28,392.72 P32.1@2405,335
3V3_RF: C21.2 C23.2 M4.2 P29.2 P30.2 U3.5 | length 4702.4
  Top Layer w10: v1(1804.23,1990.23) 1794,1980 1794,1780.55 1835,1739.55 1835,1634.55 1973.25,1496.3 1973.25,1056 2045,984.25 v1(2045,888) ; M4.2@2465,950.55 2526.85,950.55 2531.3,955 C23.2@2560,955 2560,922 2568,914 2815,914 2941,1040 ; v1(2941,866) 2941,1040 ; P30.2@3045,1180 3045,1144 2941,1040
  Bottom Layer w10: U3.5@1334.75,2312.6 1334.75,2235.25 1331.25,2231.75 1331.25,2110 C21.2@1335,2110 1472,2110 1518,2064 1518,2016 1558.39,1975.61 1782.85,1975.61 1797.47,1990.23 v1(1804.23,1990.23) ; v1(2045,888) 2273,888 2292,907 2440,907 2452,919 2452,950.55 M4.2@2465,950.55 ; v1(2941,866) 3004.71,802.29 3122.78,802.29 3186.5,866 3776,866 3829,919 3829,1201 3852,1224 3880,1224 P29.2@3880,1256
3V3_WIFI: C16.2 C29.2 C30.2 C33.1 IC1.2 IC1.4 M9.8 R29.2 R32.1 R33.1 R34.1 R35.1 U5.6 U5.7 | length 11526.9
  Top Layer w10: v1(3224.75,1380) 3269.5,1335.25 3466.25,1335.25 3475,1344 R33.1@3475,1370 R32.1@3575,1370 3575,1318.5 ; M9.8@3300.04,2204.92 3273,2204.92 3273,2258 3249,2282 3249,2400 C29.2@3290,2410 3295,2410 C30.2@3295,2490 3264,2490 3254,2500 3254,2618 3368,2732 3514,2732 3514,2672 3528,2658 3562.75,2658 3580.75,2640 3580.75,2577.56 ; v1(3434,251) 3434,532 3559,657 3559,1276 3575,1292 3575,1318.5 ; U5.6@3561.19,2557.87 U5.7@3561.19,2577.56 3580.75,2577.56 ; R35.1@3760,1475 3760,1437 3765,1432 R34.1@3765,1395 ; 3575,1318.5 3614.5,1279 3677,1279 3705.25,1307.25 3752.25,1307.25 3765,1320 R34.1@3765,1395 ; 3580.75,2577.56 3584,2577.56 3593,2586.56 3593,2611 3605,2623 3872,2623 3891,2604 v1(3891,1858) 3902.22,1846.78 3902.22,1388.22 3888,1374 3814,1374 3793,1395 R34.1@3765,1395
  Bottom Layer w10: C16.2@1090,2560 IC1.4@948.35,2560 IC1.2@720,2560 495,2560 370,2435 224,2435 91.05,2302.05 91.05,923.95 136.5,878.5 136.5,262.5 164,235 3418,235 v1(3434,251) ; v1(3224.75,1380) 3235,1369.75 C33.1@3235,1317.5 ; R29.2@3740,1957.5 3740,1894 3776,1858 v1(3891,1858)
5V: B*1.1 C1.2 C15.2 C20.2 IC2.3 IC3.3 IC4.3 J1.1 M1.5 P14.3 P25.1 P27.1 PI1.3 R26.2 U3.1 | length 12109
  Top Layer w10: v1(266,189) 30,425 30,1245.51 J1.1@166.34,1381.85 166.34,1862.48 P25.1@323.86,2020 269,2074.86 269,2555.34 P27.1@270,2555.34 ; C15.2@500,1910 PI1.3@500,2077.13 558,2077.13 v1(558,2234) ; v1(678,1861) 666,1861 645,1840 645,1735.45 656,1724.45 IC2.3@705.83,1724.45 ; P14.3@1910,506 1892,506 1755.66,369.66 1755.66,294.86 1776,274.52 1840,274.52 1882,316.52 1882,354.46 1929.54,402 2037.66,402 2055.66,384 2055.66,298.34 v1(2165,189) ; M1.5@3475,70 C1.2@3475,175
  Bottom Layer w10: v1(266,189) v1(2165,189) 3424,189 3475,138 M1.5@3475,70 ; P25.1@323.86,2020 584.41,2280.55 604.55,2280.55 ; v1(558,2234) 604.55,2280.55 ; v1(678,1861) 678,1905.55 IC3.3@705.83,1905.55 768,1905.55 777,1914.55 777,2128 768,2137 672,2137 655,2154 655,2272 663.55,2280.55 ; R26.2@1180,2500 1180,2406.5 1148.5,2375 C20.2@1100,2375 ; B*1.1@2955,2313.73 2955,2237.56 3008,2184.56 3008,1979 2921.25,1892.25 2752,1892.25 2742.25,1902 2742.25,1971.75 2738.39,1975.61 2636.11,1975.61 2620.5,1960 2590.51,1960 2574.89,1975.61 2388.86,1975.61 2361.75,1948.5 2271.5,1948.5 2250.75,1969.25 2140.24,1969.25 2076.75,2032.75 1933.63,2032.75 1858.5,1957.61 1408.39,1957.61 1297,2069 1297,2278.6 1263,2312.6 U3.1@1225.25,2312.6 1206,2312.6 1206,2326 1120,2326 1100,2346 C20.2@1100,2375 ; 604.55,2280.55 663.55,2280.55 ; 663.55,2280.55 IC4.3@715.83,2280.55 810.27,2375 C20.2@1100,2375
5V_USB: D12.2 J2.1 | length 184.5
  Top Layer w10: D12.2@3568.11,2340 3611.3,2383.19 J2.1@3734.69,2383.19
5V_WIFI: C31.2 C32.2 D12.1 IC1.3 P27.2 U5.8 | length 5843.2
  Top Layer w10: v1(1337,2625) 1451,2625 1473,2647 1473,2696 1506,2729 2587,2729 2682,2634 3164,2634 ; v1(3150,1517) 3150,1533.91 3284.77,1668.68 3284.77,1708.23 3255,1738 3208,1738 3167,1779 3167,1861 3200,1894 3272,1894 3351,1973 3351,2026 3424,2099 3424,2160 3412,2172 3412,2233 3410.63,2296 ; v1(3214,2684) 3164,2634 ; D12.1@3410.63,2340 3410.63,2296 ; U5.8@3528.74,2610 3528.74,2623 3548,2623 v1(3552,2627) ; 3164,2634 3189,2634 3231,2592 3231,2194 3264,2161 3328,2161 3340,2173 3340,2233 3395,2288 3402.63,2288 3410.63,2296
  Bottom Layer w10: P27.2@270,2656.34 492,2656.34 497.79,2650.55 IC1.3@720,2650.55 1311.45,2650.55 v1(1337,2625) ; v1(3150,1517) 3234,1517 3253,1498 3342,1498 3360,1516 3498,1516 3510,1504 C31.2@3510,1475 C32.2@3580,1475 ; v1(3214,2684) 3488,2684 3545,2627 v1(3552,2627)
12V: C13.1 C14.2 P12.1 P13.1 P26.1 PI1.1 | length 2204.8
  Top Layer w10: P26.1@323.86,2380 418.86,2285 ; P12.1@501,1585 501,1838 410,1929 410,2285 418.86,2285 ; C13.1@525,2472.2 C13.1@525,2470 ; C14.2@710,2470 C13.1@525,2470 ; 418.86,2285 PI1.1@500,2285 525,2310 C13.1@525,2470
  Bottom Layer w10: P12.1@501,1585 863,1585 893,1615 1248,1615 1303,1560 P13.1@1326,1560
12V_STEP: C11.1 C12.1 M2.9 M3.9 P12.2 P13.2 | length 2245.3
  Top Layer w10: M2.9@400,1425 400,1473 ; P12.2@400,1585 400,1473 ; P13.2@1225,1560 M3.9@1225,1425 1225,1165 C12.1@1213.54,1165 954,1165 950,1161 950,896 931,877 873,877 854,896 854,1170 C11.1@807.91,1170 759,1170 759,1337 750,1346 750,1456 707.5,1498.5 425.5,1498.5 400,1473
BLU_KEY: P1.2 R4.1 R5.2 | length 2208
  Top Layer w10: R4.1@1705,2275 R5.2@1705,2200 1792,2200 1832,2160 v1(1832,2108.75) ; v1(2284,2107) 2325,2148 2976,2148 3142,2314 v1(3142,2571)
  Bottom Layer w10: v1(1832,2108.75) 2105.75,2108.75 2127.75,2086.75 2263.75,2086.75 v1(2284,2107) ; P1.2@2957,2685 2957,2624 2994,2587 3126,2587 v1(3142,2571)
BLU_KEY_HC05: *1.34 P1.1 | length 489.5
  Bottom Layer w10: P1.1@2856,2685 2856,2607 2873,2590 2873,2464 2910.78,2426.22 *1.34@3118.82,2426.22
BLU_KEY_HC06: *1.26 P1.3 | length 867.6
  Bottom Layer w10: P1.3@3055,2685 3136,2685 3170.75,2650.25 3170.75,1972.53 3152,1953.78 *1.26@3118.82,1953.78
BLUE_ENB: CR1.32 M1.6 R4.2 S1.2 | length 6527.6
  Top Layer w10: S1.2@1430,2478.7 1430,2573.54 1476.46,2620 1681,2620 1705,2596 1705,2484 ; R4.2@1705,2365 1705,2484 ; v1(2026,806) 2075,855 2075,1088 ; CR1.32@2314,1340.47 2236.22,1340.47 ; 1705,2484 1664,2525 1616,2525 1604,2513 1604,2337 1664,2277 1664,2170 1672,2162 1760,2162 1803,2119 1803,2080 1886,1997 1886,1796 1853,1763 1853,1654 2003.36,1503.64 2003.36,1072 2012.36,1063 2050,1063 2075,1088 ; 2067,1274 2067,1344 2080,1357 ; 2067,1274 2067,1261 2093,1235 ; 2067,1274 2093,1248 2093,1235 ; 2075,1088 2075,1131 ; 2075,1131 2075,1140 2093,1158 ; 2075,1131 2093,1149 2093,1158 ; 2080,1357 2152.25,1357 ; 2080,1357 2093,1370 2139.25,1370 2152.25,1357 ; 2093,1158 2093,1235 ; 2152.25,1357 2176,1333.25 2183.75,1333.25 ; 2152.25,1357 2160,1357 2183.75,1333.25 ; 2183.75,1333.25 2221.78,1333.25 ; 2221.78,1333.25 2229,1333.25 2236.22,1340.47 ; 2221.78,1333.25 2229,1340.47 2236.22,1340.47
  Bottom Layer w10: v1(2026,806) 1972,752 1867,752 1859,744 1859,576 1880,555 2640,555 2656,571 2656,666 2713.75,723.75 2846.25,723.75 2904,666 2904,506 2800,402 2800,296 2816,280 3520,280 3573.82,226.18 M1.6@3573.82,70
BLUE_RX: *1.2 CR1.30 M1.2 P2.2 | length 4910.3
  Top Layer w10: CR1.30@2314,1379.84 2248.16,1379.84 2190,1438 2190,1529 2200,1539 2266,1539 2282,1555 2282,1692.3 2275.25,1699.05 2275.25,1812.31 2286,1823.05 2286,2037 2372,2123 3386,2123 v1(3395,2114) ; M1.2@3178.54,70 3178.54,238 3159,257.54 P2.2@3159,405 3159,485.14 2988,656.14 2988,1028 3113.5,1153.5 3113.5,1243.5 3101.25,1255.75 3101.25,1377.81 3229.36,1505.92 3229.36,1562.36 3320.77,1653.77 3320.77,1762.11 3310,1772.88 3310,1845.54 3358.03,1893.58 v1(3374.58,1893.58)
  Bottom Layer w10: v1(3374.58,1893.58) 3445.25,1964.25 ; v1(3395,2114) 3395,1976 3406.75,1964.25 3445.25,1964.25 ; *1.2@3670,2367.17 3584,2367.17 3552,2335.17 3552,2071 3445.25,1964.25
BLUE_TX: *1.1 CR1.31 M1.3 P2.1 | length 5573.4
  Top Layer w10: v1(2114,1302) 2129,1287 2129,1112.76 2114,1097.76 2114,816 2143,787 2212,787 2231,768 2231,292 v1(2363,160) ; v1(2198.95,1362) 2200.79,1360.16 CR1.31@2314,1360.16 ; M1.3@3277.36,70 3277.36,238 3260,255.36 P2.1@3260,405 3260,485 3349,574 3349,1248 3306,1291 3232,1291 3196,1327 3196,1408 3213,1425 3235,1425 3306.75,1353.25 3424,1353.25 3432,1361.25 3432,1411 3424,1419 v1(3424,1993)
  Bottom Layer w10: v1(2114,1302) 2174,1362 v1(2198.95,1362) ; v1(2363,160) 3245.36,160 3277.36,128 M1.3@3277.36,70 ; v1(3424,1993) 3424,2400.72 3449.5,2426.22 *1.1@3670,2426.22
BOOT0: P9.2 R15.2 | length 272
  Top Layer w10: R15.2@2856,1420 v1(2856,1613)
  Bottom Layer w10: P9.2@2800,1636 2800,1613 v1(2856,1613)
BOOT1: CR1.19 M5.4 P10.2 P28.3 R16.1 | length 2666.7
  Top Layer w10: CR1.19@2470.16,1536 2470.16,1600 2535,1664.84 v1(2535,1684) ; P10.2@2935,1641 2982,1641 3008,1615 ; v1(2990,1413) 2990,1597 3008,1615 ; R16.1@3055,1615 3008,1615 ; M5.4@3158.78,771.89 3202.89,771.89 ; v1(3159,1327) 3159,1144.89 3232.28,1071.61 3232.28,801.28 3202.89,771.89 ; v1(3214,325) 3214,541 3221,548 3221,753.78 3202.89,771.89
  Bottom Layer w10: v1(2535,1684) 2825,1684 2868,1641 P10.2@2935,1641 ; v1(2990,1413) 3076,1327 v1(3159,1327) ; v1(3214,325) 3553,325 3580,352 P28.3@3580,405
BTN: C9.2 CR1.18 R17.1 S5.1 | length 2998.6
  Top Layer w10: R17.1@940,2690 971,2690 ; v1(1138.75,1937.25) 1110,1966 1110,2444 981,2573 981,2680 971,2690 ; S5.1@1220,2691.3 1123.3,2691.3 1122,2690 C9.2@1025,2690 971,2690 ; CR1.18@2489.84,1536 2489.84,1581 2564.25,1655.41 2564.25,1750.03 v1(2578,1763.78)
  Bottom Layer w10: v1(1138.75,1937.25) 1870.25,1937.25 1947.75,2014.75 2058.75,2014.75 2130,1943.5 2237,1943.5 2250,1930.5 2280.5,1930.5 2285.5,1925.5 2285.5,1829.53 2309.14,1805.9 2337.14,1805.9 2378.89,1764.15 2577.63,1764.15 v1(2578,1763.78)
BUZZER: CR1.2 R18.1 | length 1305.6
  Top Layer w10: CR1.2@2646,1281.42 2679.58,1281.42 v1(2699,1262) ; v1(2733,1532) 2656,1532 2622,1566 2622,1657 2645,1680 2718,1680 2738,1700 2738,1743 2771,1776 v1(2771,1921)
  Bottom Layer w10: v1(2699,1262) 2593,1262 2564,1291 2564,1352 2576,1364 2665,1364 2669,1360 2712,1360 2728,1376 2728,1414 2702,1440 2702,1501 v1(2733,1532) ; v1(2771,1921) 2810,1960 R18.1@2810,2000
CP2102_DTR: Q6.2 R37.1 U5.28 | length 1596.2
  Top Layer w10: U5.28@3528.74,2427 3528.74,2397.74 3515,2384 3515,2292 3520,2287 3712,2287 3727,2272 3727,1747.5 3756,1718.5 v1(3756,1627) ; v1(3733,1336) 3722,1347 3722,1514 v1(3740,1532)
  Bottom Layer w10: Q6.2@3542.79,1387.5 3634.5,1387.5 3675,1347 3722,1347 v1(3733,1336) ; R37.1@3740,1475 v1(3740,1532) 3740,1611 v1(3756,1627)
CP2102_RTS: Q5.2 R38.2 U5.24 | length 1668.8
  Top Layer w10: v1(3342,1828) 3342,1400 3360,1382 v1(3403,1382) ; v1(3342,2287) 3358,2303 3358,2393 3440,2393 3450,2403 U5.24@3450,2427
  Bottom Layer w10: v1(3342,1828) v1(3342,2287) ; v1(3403,1382) 3403,1380 R38.2@3460,1380 3460,1408 3468,1416 3665,1416 3680,1431 3779,1431 3788,1440 3788,1477.5 Q5.2@3802.79,1477.5
DWM_BLE_WK: C4.2 R13.2 S3.1 U1.32 | length 957.8
  Top Layer w10: C4.2@1155,2235 R13.2@1155,2320 1209,2320 1219.3,2330.3 S3.1@1275,2330.3 1275,2256 1294,2237 v1(1487,2237)
  Bottom Layer w10: v1(1487,2237) 1487,2400.5 1637,2550.5 1637,2560 1647.59,2570.59 U1.32@1701.85,2570.59
DWM_nRST: C3.2 P3.1 R12.2 S2.1 U1.33 | length 798.8
  Top Layer w10: S2.1@1450,2120 1450,2110 R12.2@1570,2110 C3.2@1570,2163 ; P3.1@1565,2574 1565,2349.99 1611,2303.99 1611,2204 C3.2@1570,2163 ; C3.2@1570,2180 C3.2@1570,2163
  Bottom Layer w10: P3.1@1565,2574 1603.1,2574 1639.06,2609.96 U1.33@1701.85,2609.96
DWM_READY: P8.2
DWM_RX: P8.3
DWM_RX_LED: R11.2 U1.31 | length 295.3
  Top Layer w10: R11.2@1775,2365 1775,2400 1765,2410 1744,2410 1734,2420 1734,2493 1764,2493 v1(1776,2505)
  Bottom Layer w10: U1.31@1701.85,2531.22 1760,2531.22 1776,2515.22 v1(1776,2505)
DWM_SCL: P7.1 U1.25 | length 1033.1
  Top Layer w10: v1(1378,2201) 1389,2190 1389,2014 1422.47,1980.53 1551.67,1980.53 1584,1948.2 P7.1@1584,1705
  Bottom Layer w10: v1(1378,2201) 1394,2185 1506,2185 1616,2295 U1.25@1701.85,2295
DWM_SDA: P7.2 U1.23 | length 600.7
  Top Layer w10: v1(1628,2148) 1660,2116 1660,2016 1686,1990 1686,1833.5 1682.25,1829.75 1682.25,1793 1685,1790.25 P7.2@1685,1705
  Bottom Layer w10: v1(1628,2148) 1628,2197.25 1647.01,2216.26 U1.23@1701.85,2216.26